# Altium PCB Archimbu.PcbDoc (part 1 of 5) (continued)
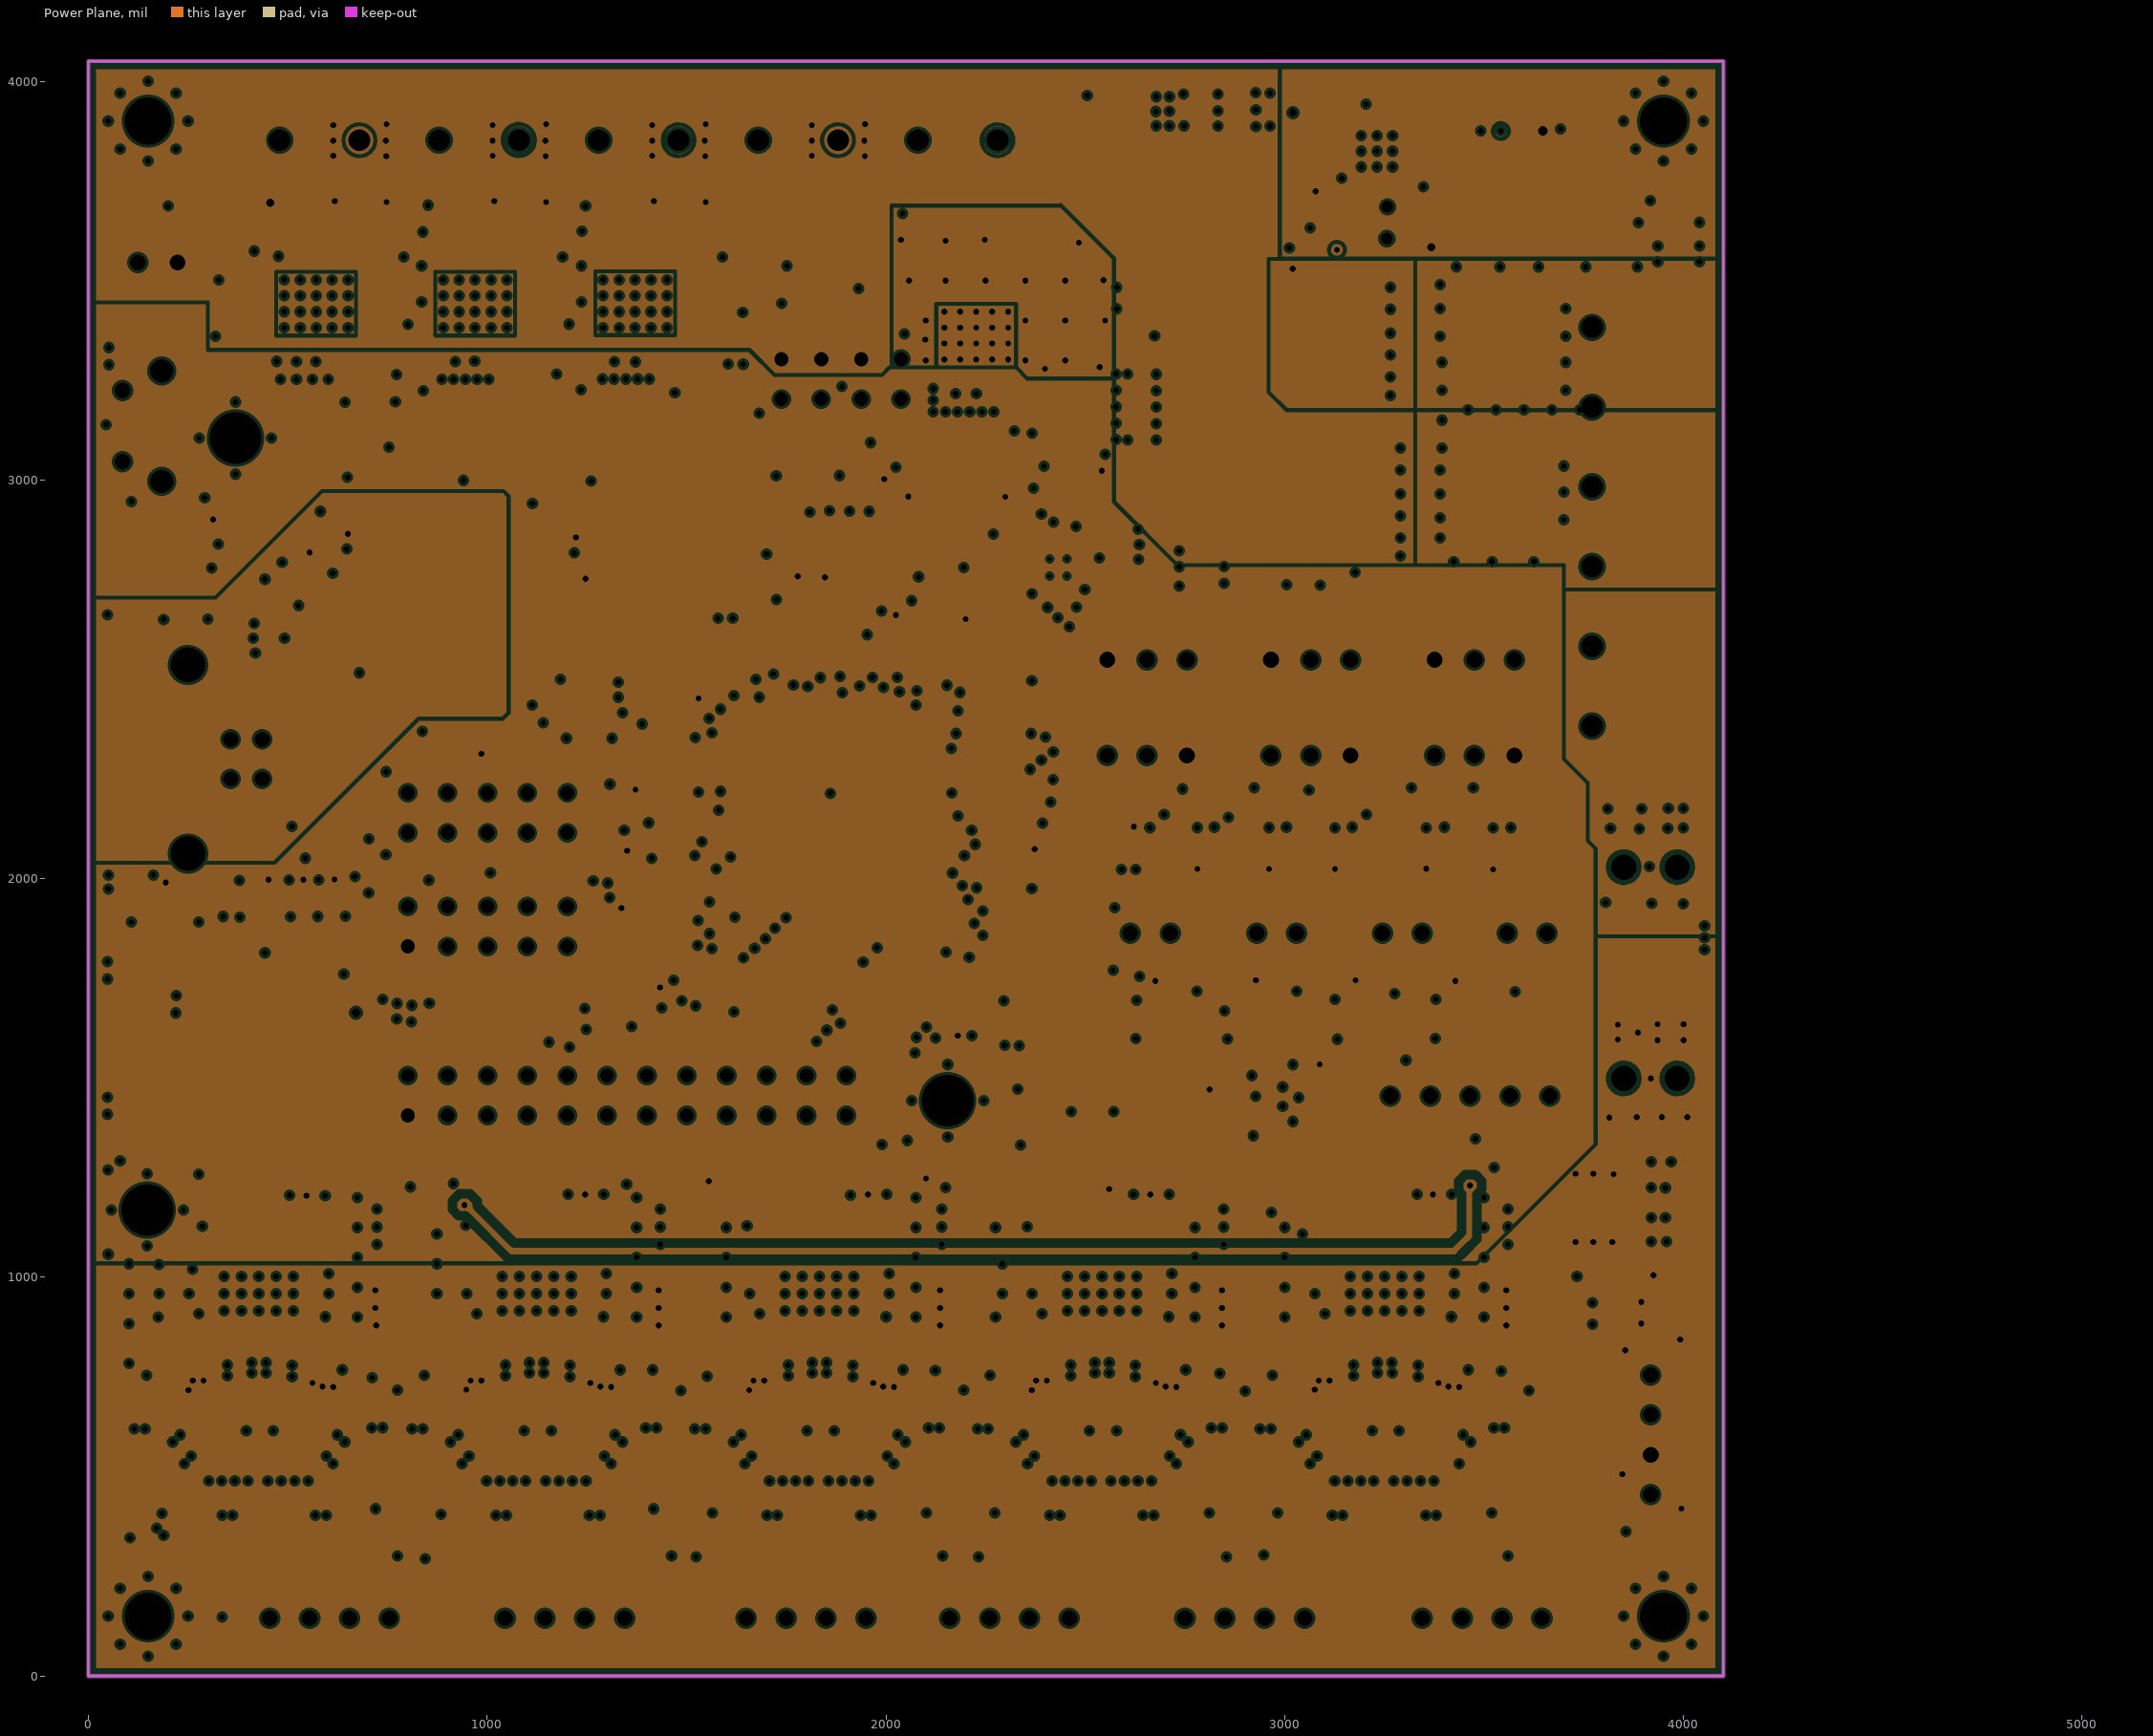
[diagram p3: Power Plane, clearances drawn from the general rule]

## Layer stack, top to bottom
Top Solder: solder mask 0.4, Solder Resist, Dk 3.5
Top Layer: signal copper 2.8
Dielectric1: prepreg 5.4, FR-4 TG170, Dk 4.6
Ground Plane: plane copper 1.4, net (Multiple Nets)
Dielectric2: core 40, FR-4 TG170, Dk 4.6
Power Plane: plane copper 1.4, net (Multiple Nets)
Dielectric3: prepreg 5.4, FR-4 TG170, Dk 4.6
Bottom Layer: signal copper 2.8
Bottom Solder: solder mask 0.4, Solder Resist, Dk 3.5

## Board outline
0,0 4100,0 4100,4050 0,4050

## Design rules (kind name [scope] priority, off if disabled: settings)
AcuteAngle [All] p1: minimum=6.00000000000000E+0001 checktracksonly=FALSE
AssemblyTestpoint [All] p1: testpointundercomponent=FALSE minsize=40 maxsize=100 preferedsize=60 minholesize=0 maxholesize=40 preferedholesize=32 testpointgrid=1 usegrid=FALSE gridtolerance=0.01 allowsidetop=TRUE allowsidebottom=TRUE minspacing=100 compbodyclearance=140
Clearance Clearance_PWR_INPUT_POLYGONS [InPolygon and InNetClass('PWR_INPUT')] p1: gap=10
Clearance Clearance_PWR_INPUT_POLYGONS_1 [InNetClass('Can bus')    and IsTrack] p2: gap=8
Clearance [All] p3: gap=7
DiffPairsRouting [All] p1: maxlimit=10 minlimit=7 mostfreqgap=8 toplayer_minwidth=7 toplayer_maxwidth=15 toplayer_prefwidth=8 bottomlayer_minwidth=7 bottomlayer_maxwidth=15 bottomlayer_prefwidth=8 maxuncoupledlength=200
FabricationTestPointUsage [All] p1: valid=2 allowmultiple=FALSE
FabricationTestpoint [All] p1: side=3 testpointundercomponent=TRUE minsize=40 maxsize=100 preferedsize=60 minholesize=0 maxholesize=40 preferedholesize=32 testpointgrid=1 allowsidetop=TRUE allowsidebottom=TRUE usegrid=FALSE gridtolerance=0.01
FanoutControl Fanout_SOIC [(InComponent('U8') AND InComponent('U7'))] p3: bgadir=Out bgaviamode=Centered fanoutstyle=Staggered fanoutdirection=Alternating viagrid=1 // Fanout_SOIC (Default Rule)
FanoutControl Fanout_Small [All] p4: bgadir=Out bgaviamode=Centered fanoutstyle=Auto fanoutdirection=Alternating viagrid=1 // Fanout_Small (Default Rule)
HoleSize [All] p1: absolutevalues=TRUE maxlimit=200 minlimit=10 maxpercent=80.000 minpercent=20.000
MinimumAnnularRing [All] p1: minimumring=7
MinimumSolderMaskSliver [All] p1 off: minsoldermaskwidth=10
PasteMaskExpansion [All] p1: expansion=-1
PlaneClearance [All] p1: clearance=7
PlaneConnect PlaneConnect_Via [IsVia] p1: planeconnectstyle=Direct reliefexpansion=35 reliefentries=4 reliefconductorwidth=50 reliefairgap=10
PlaneConnect [All] p2: planeconnectstyle=Relief reliefexpansion=12 reliefentries=4 reliefconductorwidth=14 reliefairgap=10
PolygonConnect Vias [IsVia] p1: connectstyle=Direct reliefconductorwidth=10 reliefentries=4 polygonreliefangle="90 Angle" airgapwidth=10
PolygonConnect "J3 Top" [InComponent('J3') vs ((InNet('NetF2_1') And OnLayer('Top Layer')) or (InNet('NetF1_1') And OnLayer('Top Layer')) or (InNet('GND') And OnLayer('Top Layer')) or (InNet('NetF3_1') And OnLayer('Top Layer')))] p2: connectstyle=Relief reliefconductorwidth=12 reliefentries=4 polygonreliefangle="90 Angle" airgapwidth=10
PolygonConnect "FAN-1 Top" [InComponent('FAN-1') vs ((InNet('+12VCC2') And OnLayer('Top Layer')) or (InNet('NetD10_C') And OnLayer('Top Layer')))] p3: connectstyle=Relief reliefconductorwidth=12 reliefentries=4 polygonreliefangle="90 Angle" airgapwidth=10
PolygonConnect "FAN-1 Bottom" [InComponent('FAN-1') vs ((InNet('+12VCC2') And OnLayer('Bottom Layer')) or (InNet('NetD10_C') And OnLayer('Bottom Layer')))] p4: connectstyle=Relief reliefconductorwidth=35 reliefentries=4 polygonreliefangle="90 Angle" airgapwidth=10
PolygonConnect "J3 Bottom" [InComponent('J3') vs ((InNet('NetF2_1') And OnLayer('Bottom Layer')) or (InNet('NetF1_1') And OnLayer('Bottom Layer')) or (InNet('GND') And OnLayer('Bottom Layer'))or (InNet('NetF3_1') And OnLayer('Bottom Layer')))] p5: connectstyle=Relief reliefconductorwidth=50 reliefentries=4 polygonreliefangle="90 Angle" airgapwidth=10
PolygonConnect "F2 Top" [InComponent('F2') vs ((InNet('NetF2_1') And OnLayer('Top Layer')) or (InNet('+12VCC2') And Onlayer('Top Layer')))] p6: connectstyle=Relief reliefconductorwidth=12 reliefentries=4 polygonreliefangle="90 Angle" airgapwidth=10
PolygonConnect "F3 Top" [InComponent('F3') vs ((InNet('NetF3_1') And OnLayer('Top Layer')) or (InNet('+12VCC1') And Onlayer('Top Layer')))] p7: connectstyle=Relief reliefconductorwidth=12 reliefentries=4 polygonreliefangle="90 Angle" airgapwidth=10
PolygonConnect "F2 Bottom" [InComponent('F2') vs ((InNet('NetF2_1') And OnLayer('Bottom Layer')) or (InNet('+12VCC2') And Onlayer('Bottom Layer')))] p8: connectstyle=Relief reliefconductorwidth=50 reliefentries=4 polygonreliefangle="90 Angle" airgapwidth=10
PolygonConnect "F3 Bottom" [InComponent('F3') vs ((InNet('NetF3_1') And OnLayer('Bottom Layer')) or (InNet('+12VCC1') And Onlayer('Bottom Layer')))] p9: connectstyle=Relief reliefconductorwidth=50 reliefentries=4 polygonreliefangle="90 Angle" airgapwidth=10
PolygonConnect "F1 Top" [InComponent('F1') vs ((InNet('+12VCC3') And OnLayer('Top Layer')) or (InNet('NetF1_1') And OnLayer('Top Layer')))] p10: connectstyle=Relief reliefconductorwidth=12 reliefentries=4 polygonreliefangle="90 Angle" airgapwidth=10
PolygonConnect "F1 Bottom" [InComponent('F1') vs ((InNet('+12VCC3') And OnLayer('Bottom Layer')) or (InNet('NetF1_1') And OnLayer('Bottom Layer')))] p11: connectstyle=Relief reliefconductorwidth=50 reliefentries=4 polygonreliefangle="90 Angle" airgapwidth=10
PolygonConnect "J1 Top" [InComponent('J1') vs ((InNet('+12VCC2') And OnLayer('Top Layer')) or (InNet('FN1') And OnLayer('Top Layer')) )] p12: connectstyle=Relief reliefconductorwidth=12 reliefentries=4 polygonreliefangle="90 Angle" airgapwidth=10
PolygonConnect "J1 Top HTBD" [InComponent('J1') vs ((InNet('HTBD') And OnLayer('Top Layer')) or (InNet('+12VCC3') And OnLayer('Top Layer')) or(InNet('HTR0') And OnLayer('Top Layer')) or (InNet('HTR1') And OnLayer('Top Layer')) or (InNet('HTRA') And OnLayer('Top Layer'))  )] p13: connectstyle=Relief reliefconductorwidth=50 reliefentries=4 polygonreliefangle="90 Angle" airgapwidth=10
PolygonConnect "J1 Bottom" [InComponent('J1') vs ((InNet('+12VCC2') And OnLayer('Bottom Layer'))or(InNet('HTR0') And OnLayer('Bottom Layer')) or (InNet('HTR1') And OnLayer('Bottom Layer')) or (InNet('HTRA') And OnLayer('Bottom Layer')) or (InNet('HTBD') And OnLayer('Bottom Layer')) or (InNet('+12VCC3') And OnLayer('Bottom Layer'))or (InNet('FN1') And OnLayer('Bottom Layer')))] p14: connectstyle=Relief reliefconductorwidth=50 reliefentries=4 polygonreliefangle="90 Angle" airgapwidth=10
PolygonConnect "Direct Connect" [(IsNamedPolygon('Motor-Thermal')) Or (IsNamedPolygon('Top Layer-MTR +')) Or (IsNamedPolygon('Fet-DirectConnect')) Or (IsNamedPolygon('DirectConnect') Or InComponent('D7') Or HasFootprint('TP-2') )] p15: connectstyle=Direct reliefconductorwidth=10 reliefentries=4 polygonreliefangle="90 Angle" airgapwidth=10
PolygonConnect [All] p16: connectstyle=Relief reliefconductorwidth=10 reliefentries=4 polygonreliefangle="90 Angle" airgapwidth=10
RoutingVias RoutingVias_<15mil [HoleSize < '15'] p1: holewidth=24 width=40 viastyle="Through Hole" minholewidth=10 minwidth=24 maxholewidth=50 maxwidth=70
RoutingVias [All] p2: holewidth=24 width=40 viastyle="Through Hole" minholewidth=15 minwidth=29 maxholewidth=50 maxwidth=70
SMDEntry [All] p1: side=TRUE corner=TRUE anyangle=TRUE
SMDToCorner [All] p1: distance=30000
SilkToSilkClearance [All] p1 off: silktosilkclearance=10
SilkToSolderMaskClearance SilkscreenOverComponentPads [IsPad] p1 off: minsilkscreentomaskgap=10 clearancetoexposedcopper=TRUE
SolderMaskExpansion [All] p1: expansion=4
Width Width_USB [InNet(UMCU_N) And InNet(UMCU_P)] p1: maxlimit=8 minlimit=8 preferedwidth=8
Width Width_Can [InNetClass('Can bus')] p2: maxlimit=8 minlimit=8 preferedwidth=8
Width [All] p3: maxlimit=200 minlimit=7 preferedwidth=8 minimp=50.000000 maximp=50.000000 favimp=50.000000
17 further rules are at their usual default settings.

## Classes and differential pairs
net class "Can bus": PA0_CANTX0 PA1_CANRX0
net class SD: MCCDA MCCK MCDA0 MCDA1 MCDA2 MCDA3 SDCD
net class STEP_BUS[1..4]: STEP_BUS1 STEP_BUS2 STEP_BUS3 STEP_BUS4
net class REF_BUS[1..4]: REF_BUS1 REF_BUS2 REF_BUS3 REF_BUS4
net class MOD2E_BUS[1..4]: MOD2E_BUS1 MOD2E_BUS2 MOD2E_BUS3 MOD2E_BUS4
net class MOD1E_BUS[1..4]: MOD1E_BUS1 MOD1E_BUS2 MOD1E_BUS3 MOD1E_BUS4
net class MOD0E_BUS[1..4]: MOD0E_BUS1 MOD0E_BUS2 MOD0E_BUS3 MOD0E_BUS4
net class EN_BUS[1..4]: EN_BUS1 EN_BUS2 EN_BUS3 EN_BUS4
net class DIR_BUS[1..4]: DIR_BUS1 DIR_BUS2 DIR_BUS3 DIR_BUS4
component class TR2: C74 D3_ThermistorChannel2 D5_ThermistorChannel2 D35 D38 J15 R19_ThermistorChannel2 R72 R78 TP71
component class TR1: C30_ThermistorChannel1 C78 D3_ThermistorChannel1 D5_ThermistorChannel1 D37 D41 J14 R19_ThermistorChannel1 R74 R80 TP70
net class MIN_ES_BUS[1..3]: MIN_ES0
net class MAX_ES_BUS[1..3]: MAX_ES0
component class Designator: C1 C2 C3 C4 C5 C6 C7 C12 C13 C15 C16 C24 C25 C26 C30 C34 C35 C36 C37 C38 C44 C45 C46 C51 C52 C53 C54 C55 C56 C57 C63 C65 C67 C68 C69 C72 C73 C80 C81 C93 C94 C95 D1 D2 D5 D22 D23 D34 D43 F1 F2 F3 H1 H2 H3 H4 H5 H6 H7 J3 J21 L1 L3 L6 L7 P1 R1 R2 R3 R4 R5 R10 R11 R13 R32 R33 R66 R76 R100 R131 R132 TP36 TP43 TP44 TP45 TP46 TP47 TP48 TP51 TP57 TP68 TP69 TP79 U1 U8
component class Microcontroller: C40 C66 C70 C71 C82 D24 D25 D64 D65 D66 D67 D68 D69 FD1 FD2 FD3 J4 J12 J13 J18 J19 J20 LOGO1 microSD R31 R34 R36 R37 R38 R40 R41 R50 R64 R65 R67 R68 R69 R70 R71 R77 R82 R83 R85 S1 S2 TP49 TP50 TP52 TP53 TP54 TP56 TP74 TP75 TP76 TP77 TP78 U11 U12
component class M1: C83 C88 C96 C98 C104 C110 C114 C118 C126 C127 C136 C137 D44 D45 D56 D60 J22 R32_DriverChannelDRV88251 R33_DriverChannelDRV88251 R87 R90 R95 R101 R109 R114 R120 R121 R122 TP1 TP2 TP3 TP4 TP14 TP21 TP31 TP80 TP101 TP102 TP103 TP104 U13
component class M2: C84 C89 C97 C99 C103 C108 C115 C119 C128 C132 C138 C144 D46 D47 D57 D61 J23 R32_DriverChannelDRV88252 R33_DriverChannelDRV88252 R88 R91 R96 R102 R110 R115 R119 R123 R124 TP5 TP6 TP9 TP18 TP22 TP23 TP32 TP83 TP97 TP98 TP99 TP100 U14
component class M3: C86 C91 C101 C105 C112 C116 C120 C124 C130 C134 C141 C145 D50 D51 D59 D63 J26 R32_DriverChannelDRV88253 R33_DriverChannelDRV88253 R86 R93 R98 R103 R104 R112 R118 R127 R128 TP12 TP13 TP19 TP20 TP26 TP27 TP33 TP82 TP89 TP90 TP91 TP92 U16
component class M4: C87 C92 C102 C106 C113 C117 C121 C125 C131 C135 C142 C143 D5D D6D D52 D53 D54 D55 J27 R32_DriverChannelDRV88254 R33_DriverChannelDRV88254 R84 R94 R99 R105 R106 R113 R116 R129 R130 TP7 TP8 TP16 TP28 TP29 TP30 TP34 TP81 TP85 TP86 TP87 TP88 U17
component class U_MZ: C85 C90 C100 C107 C109 C111 C122 C123 C129 C133 C139 C140 D48 D49 D58 D62 J24 J25 R32_DriverChannelDRV88255 R33_DriverChannelDRV88255 R89 R92 R97 R107 R108 R111 R117 R125 R126 TP10 TP11 TP15 TP17 TP24 TP25 TP35 TP84 TP93 TP94 TP95 TP96 U15
component class ES1: C58 C64 D28 D29 J5 J9 R52 R53 R54 R63 TP66 TP67
component class ES2: C59 C60 D30 D31 J6 J10 R55 R56 R57 R58 TP64 TP65
component class "U_MOSFETs and Driver": C8 C9 C10 C11 C14 C17 C18 C19 C20 C21 C22 C23 C31 D3 D4 D6 D7 D8 D9 D10 D11 D12 D13 D14 D15 D16 D17 D18 D19 D20 D21 J1 J2 Q1 Q2 Q3 Q4 Q5 Q6 R6 R7 R8 R9 R12 R14 R15 R16 R17 R18 R19 R20 R21 R22 R23 R24 R25 R26 R27 R28 R29 R30 R35 R39 TP37 TP38 TP39 TP40 TP41 TP42 U2 U3 U4 U5 U6 U7 U10
component class TR3: C79 D39 D42 J16 R75 R81 TP73
component class TR4: C75 D36 D40 J17 R73 R79 TP72
net class THERM_AN_BUS[1..4]: THERM_AN_BUS1 THERM_AN_BUS2 THERM_AN_BUS3 THERM_AN_BUS4
net class PWR_INPUT: +12VCC1 +12VCC2 +12VCC3 NetF1_1 NetF2_1 NetF3_1
net class SPI: PA25_MISO PA26_MOSI PA27_SCLK PA29_CS PB21_CS2 SPIFLASH_CS
component class USB: C27 C28 C29 C32 C33 C39 C41 C42 C43 C48 C49 C50 C76 C77 D26 D27 J8 L2 L4 L5 R42 R43 R44 R45 R46 R47 R48 R49 R51 TP55 TP58 TP59 TP59a TP60 TP61 U9 X1
channel class EndStops: ES1 ES2 ES3
channel class Motors: M1 M2 M3 M4
channel class Thermistors: TR1 TR2 TR3 TR4
component class ES3: C61 C62 D32 D33 J7 J11 R59 R60 R61 R62 TP62 TP63

## Components (designator, comment, footprint, x,y, rotation, side; value= is the part's Value field where it differs from the comment)
C1 "1uF" C0805 3066.18,3919.49 r90 top
C2 "UWT1V101MCL1GS" CAP-ELEC-063063077 2879,3827 r270 top
C3 "10uF" C0805 3393.31,3948.43 r180 top
C4 "4.7uF" C1206 3193.31,3942.43 r0 top
C5 "100nF" C0402 3738,3911 r90 top
C6 "100nF" C0603 3429.31,3853.43 r270 top
C7 "1uF" C0402 3138.31,3725.43 r0 top
C8 "C0603TBD" C0603 541,3647 r0 top
C9 "C0603TBD" C0603 943,3647 r180 top
C10 "C0603TBD" C0603 1344,3647 r180 top
C11 "C0603TBD" C0603 2226,3646.99 r180 top
C12 "C0402TBD" C0402 3980.51,3586.66 r180 top
C13 "1nF" C0603 2634,3484 r180 top
C14 "C0603TBD" C0603 1898,3538 r180 top
C15 "100nF" C0603 2634,3429 r180 top
C16 "TBD" C1206 2685,3362 r180 top
C17 "C0603TBD" C0603 298,3267 r180 top
C18 "100nF" C0402 2028,3400 r180 top
C19 "100nF" C0402 820.47,3264.76 r0 top
C20 "100nF" C0402 1222.05,3265.75 r0 top
C21 "100nF" C0402 1623.2,3263 r0 top
C22 "100nF" C0402 2397.64,3082.68 r90 top
C23 "100nF" C0402 721.51,3100.49 r90 top
C24 "10uF" C0805 2621.65,2952.6 r270 top
C25 "UWT1V101MCL1GS" CAP-ELEC-063063077 2792,2861 r90 top
C26 "100nF" C0402 2512.8,2975.39 r180 top
C27 "C0603TBD" C0603 1054,2941 r0 top
C28 "100nF" C0402 680,2846 r270 top
C29 "100nF" C0402 1190,2836 r270 top
C30 "100nF" C0402 2584.65,2847.6 r0 top
C31 "100nF" C0402 2309.06,2846.46 r0 top
C32 "1uF" C0402 509,2818 r180 top
C33 "100nF" C0402 1248,2797 r90 top
C34 "1uF" C0402 2584.65,2804.6 r0 top
C35 "1nF" C0603 2970,2763 r270 top
C36 "100nF" C0603 3048,2763 r270 top
C37 "0603" C0603 2139.76,2784.45 r0 top
C38 "TBD" C1206 3188,2768 r180 top
C39 "100nF" C0402 661,2766 r180 top
C40 "10nF" C0402 1753,2736.99 r90 top
C41 "3pF" C0603 1621,2707 r270 top
C42 "3pF" C0603 1543,2695 r0 top
C43 "10nF" C0402 476,2733 r270 top
C44 "100nF" C0402 2065,2650 r90 top
C45 "100nF" C0402 2006,2632 r180 top
C46 "100nF" C0402 1597,2628 r0 top
C48 "4.7nF" C0402 111,2590 r90 top
C49 "0402" C0402 1402,2474 r90 top
C50 "C0603TBD" C0603 1054,2435 r0 top
C51 "100nF" C0402 1385,2416 r180 top
C52 "100nF" C0402 1399,2319 r270 top
C53 "0603" C0603 1226,2315 r0 top
C54 "100nF" C0402 1400,2241 r90 top
C55 "0603" C0603 1309,2180 r270 top
C56 "100nF" C0402 2367,2120 r90 top
C57 "0603" C0603 1309,2080 r270 top
C58 "10nF" C0402 2762,2100 r0 top (schematic designator C3)
C59 "10nF" C0402 2942,2100 r0 top (schematic designator C5)
C60 "10nF" C0402 3107,2099 r0 top (schematic designator C3)
C61 "10nF" C0402 3336,2099 r0 top (schematic designator C5)
C62 "10nF" C0402 3504,2099 r0 top (schematic designator C3)
C63 "100nF" C0402 1385,2066 r270 top
C64 "10nF" C0402 2603,2052 r0 top (schematic designator C5)
C65 "100nF" C0402 2366,2020 r270 top
C66 "0603" C0603 773,2021 r0 top
C67 "C0402TBD" C0402 113,2009 r0 top
C68 "100nF" C0402 1353,2000 r180 top
C69 "100nF" C0402 1352,1960 r180 top
C70 "47uF" C0805 239.13,1940 r0 top
C71 "100nF" C0402 123.13,1922 r180 top
C72 "0603" C0603 1302,1675 r0 top
C73 "100nF" C0402 1390,1676 r0 top
C74 "100nF" C0402 2880,1649.43 r90 top (schematic designator C55)
C75 "100nF" C0402 3379,1648.43 r90 top (schematic designator C55)
C76 "100nF" C0402 1488,1648 r90 top
C77 "10nF" C0402 1551,1648 r90 top
C78 "100nF" C0402 2629,1647.87 r90 top (schematic designator C55)
C79 "100nF" C0402 3126,1645.43 r90 top (schematic designator C55)
C80 "100nF" C0402 2142,1640 r270 top
C81 "100nF" C0402 2202,1636 r0 top
C82 "100nF" C0402 3069.88,1562.99 r180 top
C83 "0402" C0402 594.44,1160 r270 top (schematic designator C11)
C84 "0402" C0402 1293,1160 r270 top (schematic designator C11)
C85 "0402" C0402 2002.42,1160 r270 top
C86 "0402" C0402 2711,1160 r270 top (schematic designator C11)
C87 "0402" C0402 3419,1160 r270 top (schematic designator C11)
C88 "UWT1V101MCL1GS" CAP-ELEC-063063077 770,1025 r270 top (schematic designator C17)
C89 "UWT1V101MCL1GS" CAP-ELEC-063063077 1480,1025 r270 top (schematic designator C17)
C90 "UWT1V101MCL1GS" CAP-ELEC-063063077 2186,1025 r270 top
C91 "UWT1V101MCL1GS" CAP-ELEC-063063077 2893,1025 r270 top (schematic designator C17)
C92 "UWT1V101MCL1GS" CAP-ELEC-063063077 3606,1025 r270 top (schematic designator C17)
C93 "TBD" C1206 3825,1002 r180 top
C94 "1nF" C0603 3829,936 r180 top
C95 "100nF" C0603 3829,882 r180 top
C96 "10nF" C0402 651,842 r270 top (schematic designator C14)
C97 "10nF" C0402 1347,842 r270 top (schematic designator C14)
C98 "10nF" C0402 202.44,840 r270 top (schematic designator C10)
C99 "10nF" C0402 899.3,840 r270 top (schematic designator C10)
C100 "0402" C0402 1608.42,840 r270 top
C101 "10nF" C0402 2317.02,840 r270 top (schematic designator C10)
C102 "10nF" C0402 3025.88,840 r270 top (schematic designator C10)
C103 "10nF" C0402 1468,785 r180 top (schematic designator C8)
C104 "10nF" C0402 757,784 r180 top (schematic designator C8)
C105 "10nF" C0402 2883,784 r180 top (schematic designator C8)
C106 "10nF" C0402 3594,784 r180 top (schematic designator C8)
C107 "0402" C0402 2176,783 r180 top
C108 "100nF" C0402 991.3,780 r0 top (schematic designator C9)
C109 "100nF" C0603 1984.4,770 r0 top
C110 "100nF" C0402 294.44,777 r0 top (schematic designator C9)
C111 "100nF" C0402 1700.42,777 r0 top
C112 "100nF" C0402 2409.02,777 r0 top (schematic designator C9)
C113 "100nF" C0402 3117.88,777 r0 top (schematic designator C9)
C114 "100nF" C0603 578.44,769 r0 top (schematic designator C18)
C115 "100nF" C0603 1275.3,769 r0 top (schematic designator C18)
C116 "100nF" C0603 2693.02,769 r0 top (schematic designator C18)
C117 "100nF" C0603 3401.88,769 r0 top (schematic designator C18)
C118 "100nF" C0603 205.14,754 r180 top (schematic designator C16)
C119 "100nF" C0603 902,754 r180 top (schematic designator C16)
C120 "100nF" C0603 2319.72,754 r180 top (schematic designator C16)
C121 "100nF" C0603 3028.58,754 r180 top (schematic designator C16)
C122 "100nF" C0603 1611,753 r180 top
C123 "0402" C0402 2176,745 r180 top
C124 "10nF" C0402 2883,745 r180 top (schematic designator C14)
C125 "10nF" C0402 3594,745 r180 top (schematic designator C14)
C126 "1nF" C0603 186,447 r180 top (schematic designator C15)
C127 "1nF" C0603 670.14,447 r180 top (schematic designator C12)
C128 "1nF" C0603 1367,447 r180 top (schematic designator C12)
C129 "1nF" C0603 2076.12,447 r180 top
C130 "1nF" C0603 2784.72,447 r180 top (schematic designator C12)
C131 "1nF" C0603 3493.58,447 r180 top (schematic designator C12)
C132 "1nF" C0603 887.92,446 r180 top (schematic designator C15)
C133 "1nF" C0603 1592.12,446 r180 top
C134 "1nF" C0603 2300.72,446 r180 top (schematic designator C15)
C135 "1nF" C0603 3009.58,446 r180 top (schematic designator C15)
C136 "1nF" C0603 104.33,405.51 r270 top (schematic designator C7)
C137 "1nF" C0603 785.51,360 r270 top (schematic designator C13)
C138 "1nF" C0603 1462.53,360 r270 top (schematic designator C13)
C139 "1nF" C0603 1524.12,360 r270 top
C140 "1nF" C0603 2142.12,360 r270 top
C141 "1nF" C0603 2232.72,360 r270 top (schematic designator C7)
C142 "1nF" C0603 2943,360 r270 top (schematic designator C7)
C143 "1nF" C0603 3559.58,360 r270 top (schematic designator C13)
C144 "1nF" C0603 845.47,353.35 r270 top (schematic designator C7)
C145 "1nF" C0603 2821,345 r270 top (schematic designator C13)
D1 "S3A-13-F" DO-214AB 2587,3821 r90 top
D2 "SK310A-TP" SMA-SM 3596.31,3635.43 r180 top
D3 "RSB39VTE-17" SOD323-R 1743,3538 r0 top
D4 "RSB39VTE-17" SOD323-R 2086,3638 r180 top
D5 "RSB39VTE-17" SOD323-R 3958.51,3645.66 r0 top
D6 "B240A-13-F" SMA-SM 754,3557 r270 top
D7 "B240A-13-F" SMA-SM 1153,3557 r270 top
D8 "B240A-13-F" SMA-SM 1553,3555 r270 top
D9 "5988110107F" LED2012120 2311,3606 r270 top
D10 "RSB39VTE-17" SOD323-R 854,3615 r90 top
D11 "RSB39VTE-17" SOD323-R 1252,3615 r90 top
D12 "B240A-13-F" SMA-SM 403,3403 r90 top
D13 "5988110107F" LED2012120 1650,3542 r270 top
D14 "RSB39VTE-17" SOD323-R 485,3577 r180 top
D15 "B240A-13-F" SMA-SM 2476,3563 r180 top
D16 "5988110107F" LED2012120 623,3589 r180 top
D17 "5988110107F" LED2012120 1025,3589 r180 top
D18 "5988110107F" LED2012120 1424,3589 r180 top
D19 "B240A-13-F" SMA-SM 1893,3624 r180 top
D20 "5988110107F" LED2012120 363,3605 r90 top
D21 "RSB39VTE-17" SOD323-R 132,3363 r180 top
D22 "S3A-13-F" DO-214AB 2747,3183 r180 top
D23 "5988170107F" LED2012120 150,2901 r180 top
D24 "5988110107F" LED2012120 150,2840 r180 top